# Altium PCB Panelizado.PcbDoc (part 3 of 4)
Units mm, origin at the board's own origin, x right, y up, seen from the top; angles counter-clockwise.
Board outline 420 x 503 mm, 2 copper layers (Top Layer, Bottom Layer); 456 components, 297 nets, 1240 pads, 557 vias.
Unrouted connection lines stored in the file: 247.
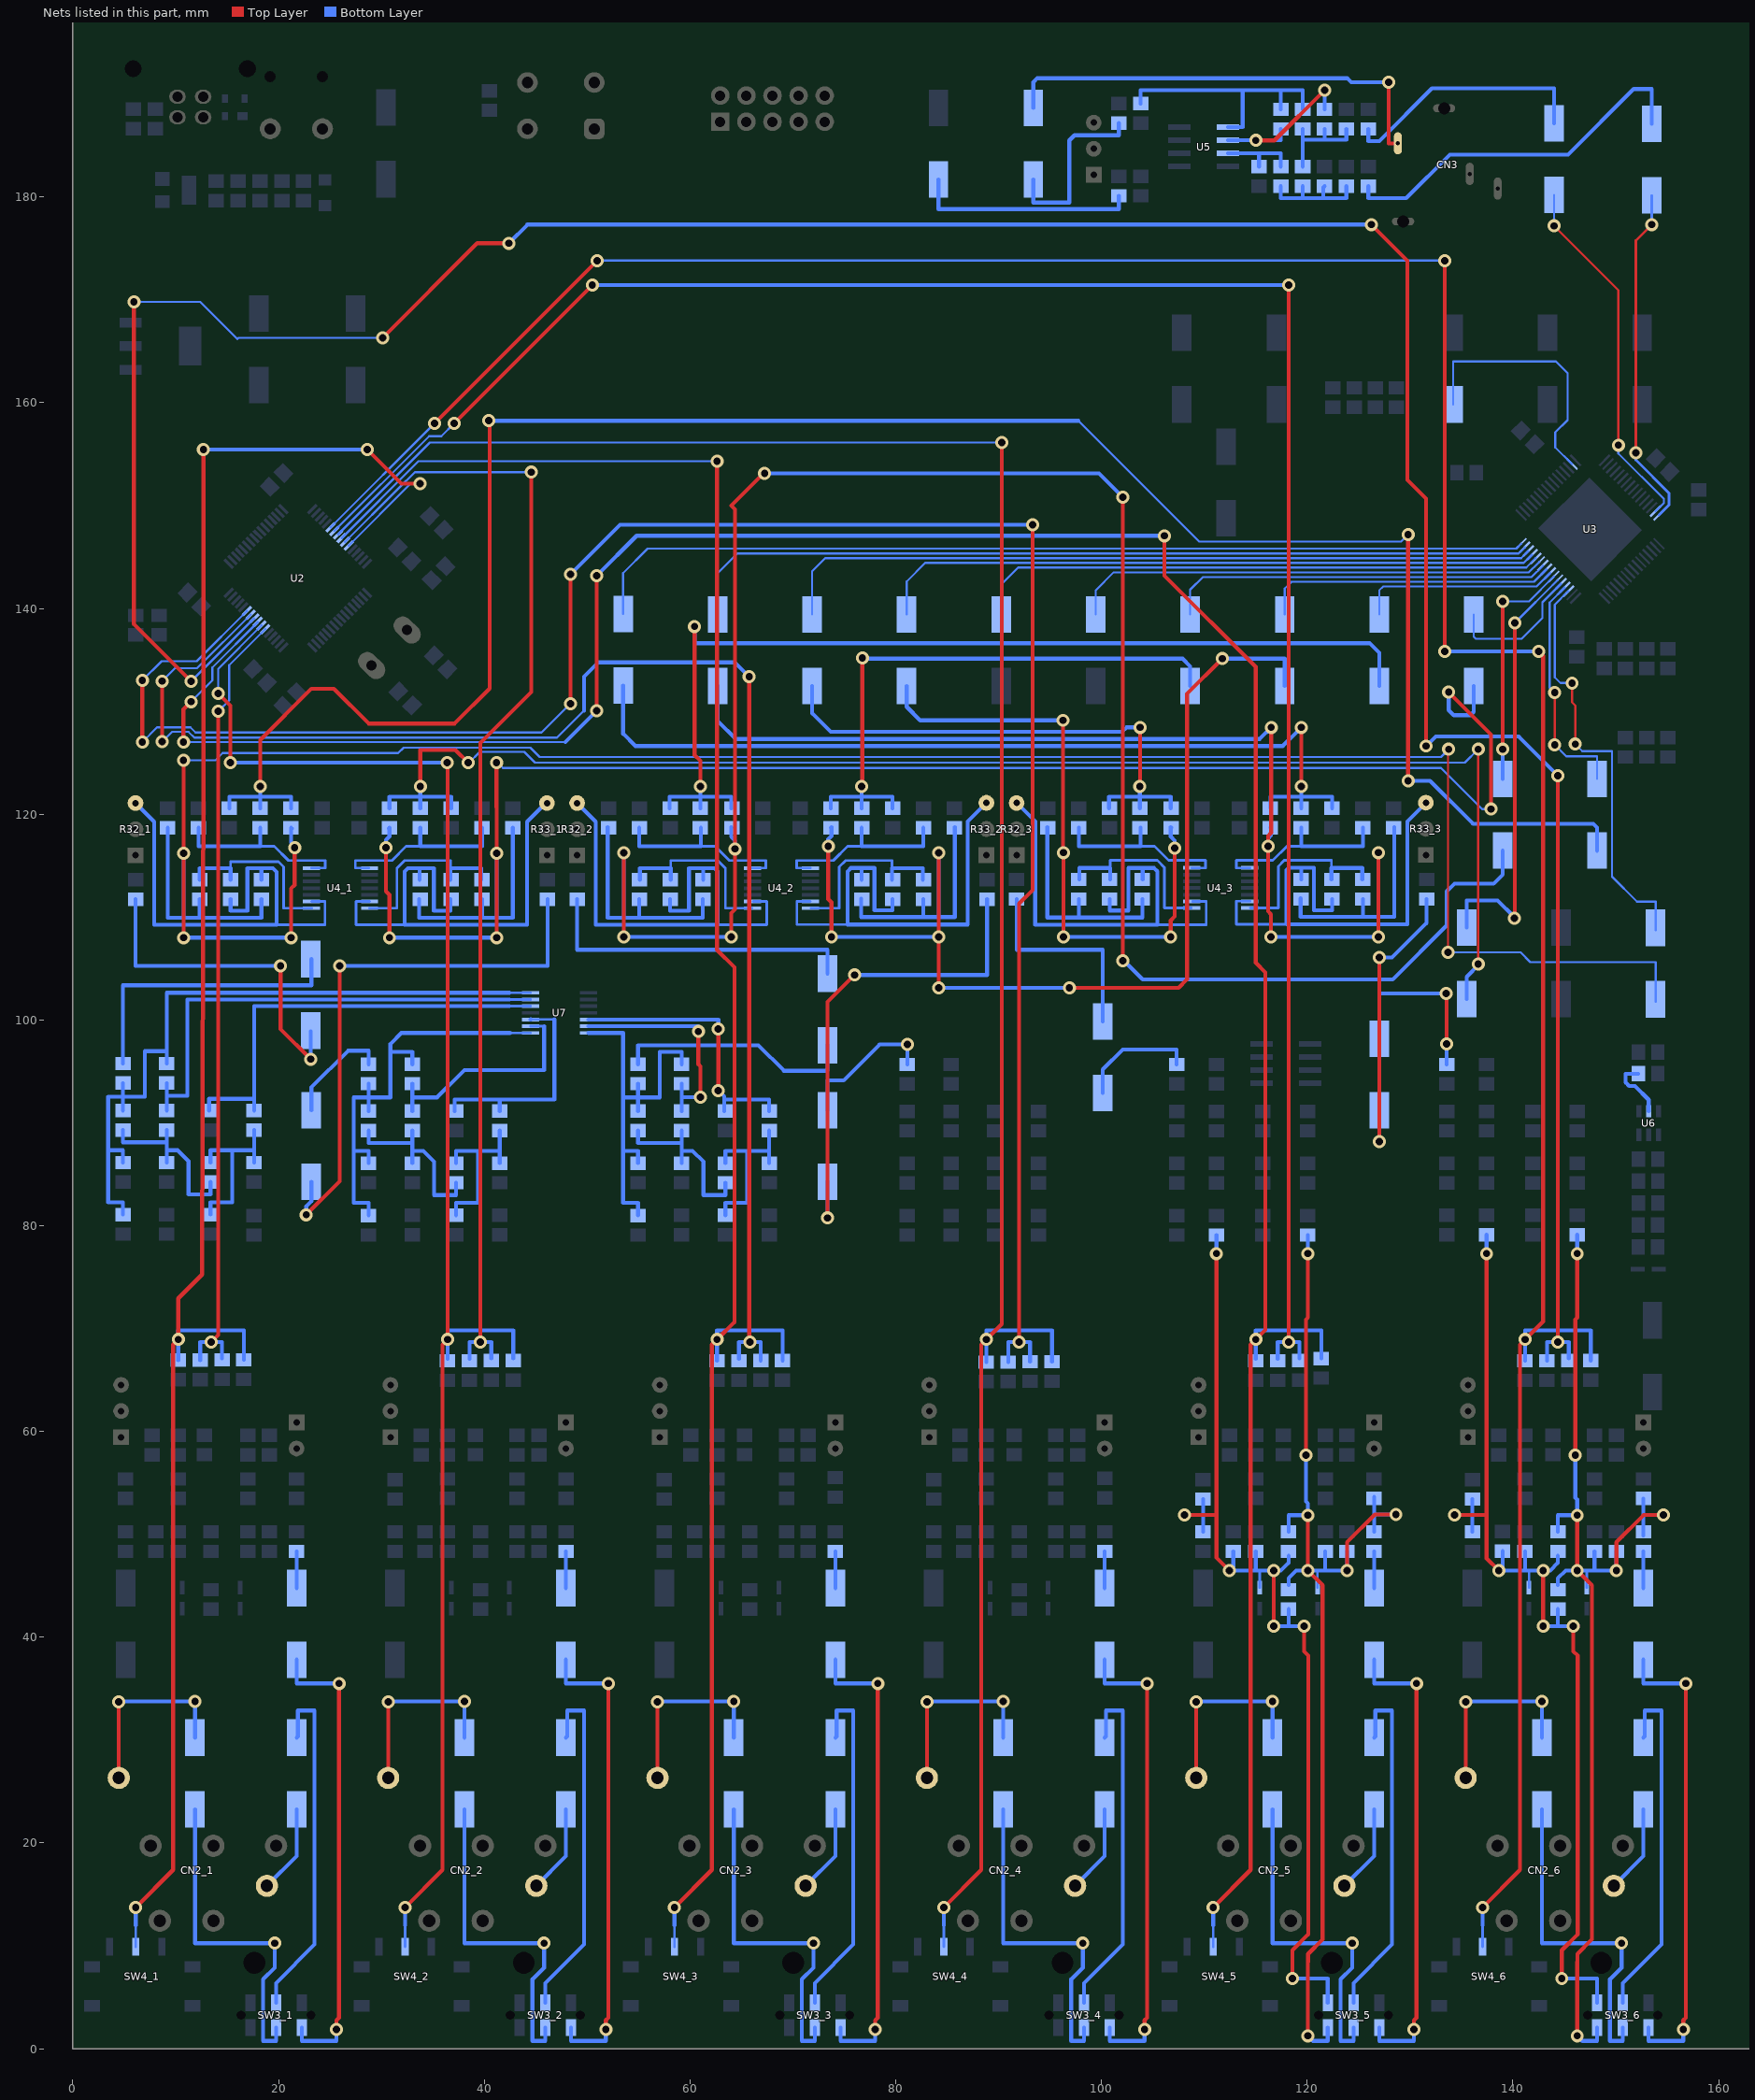
[diagram p3: the nets of this part, all layers, seen from the top]

## Via types
v1: diameter 1.27, hole 0.711, Top Layer to Bottom Layer, 553 vias
v2: diameter 1.4, hole 0.7, Top Layer to Bottom Layer, 4 vias

## Nets (pads, with @x,y where several pads share a name; then routed paths per layer and width w, separated by ;. In a path a pad name is that pad's centre, name@x,y a point inside that pad or via, vN(x,y) a via of type N, cw(c..) or ccw(c..) an arc to the next point about the centre after c; other vN are vias at no path point) (continued)
NetC17_5_1: C17_5.1 D3_5.1 R8_5.2 R9_5.2 R67.2 R68.1 R125.1 R144_5.1 SW3_5.3 | length 104.4
  Top Layer w0.381: v1(108.062,51.875) 111.153,51.875 111.174,51.855 ; v1(111.174,77.287) 111.174,51.855 ; v1(112.437,46.48) 111.174,47.744 111.174,51.855 ; v1(116.75,41.063) v1(116.75,46.48) ; v1(118.562,6.813) 118.562,9.562 120.115,11.115 120.115,38.197 119.688,38.625 v1(119.688,41.063) ; v1@120.115,41.063 v1@120.115,41.105
  Bottom Layer w0.254: D3_5.1@115.375,44.815 115.375,46.48
  Bottom Layer w0.381: v1(108.062,51.875) 109.875,51.875 ; R8_5.2@109.875,50.242 109.875,51.875 ; R68.1@109.875,53.417 109.875,51.875 ; v1(111.174,77.287) R125.1@111.174,79.087 ; R67.2@112.812,48.342 112.812,46.855 v1(112.437,46.48) 115,46.48 ; R144_5.1@114.992,48.342 114.992,46.487 115,46.48 ; v1(116.75,41.063) 118.187,41.063 ; C17_5.1@118.187,42.717 118.187,41.063 ; R9_5.2@118.187,47.905 118.187,47.23 117.437,46.48 v1(116.75,46.48) 115.375,46.48 115,46.48 ; v1(118.562,6.813) 122,6.813 SW3_5.3@122,4.45 ; v1(119.688,41.063) 118.187,41.063
NetC17_5_2: C17_5.2 D4_5.1 R9_5.1 R10_5.2 R69.2 R70.1 R129.1 R147_5.1 SW3_5.6 | length 112.3
  Top Layer w0.381: v1(119.875,57.687) 119.875,70.875 120.062,71.062 120.049,71.076 v1@120.049,77.264 ; v1(120.062,1.25) 120.062,8.411 120.079,8.428 120.079,9.205 121.5,10.625 121.5,45.042 v1(120.062,46.48) v1(120.062,51.855) ; v1(123.875,46.48) 123.875,49.23 126.583,51.938 v1(128.625,51.938)
  Bottom Layer w0.254: D4_5.1@121,44.815 121,46.48
  Bottom Layer w0.381: C17_5.2@118.187,45.055 118.187,45.73 118.937,46.48 v1(120.062,46.48) 121,46.48 121.75,46.48 ; R9_5.1@118.187,50.242 118.187,51.855 v1(120.062,51.855) 120.062,53 119.875,53.187 v1(119.875,57.687) ; v1(120.049,77.287) R129.1@120.049,79.087 ; v1(120.062,1.25) 120.562,0.75 122,0.75 SW3_5.6@122,2.05 ; R147_5.1@121.75,48.342 121.75,46.48 ; R69.2@123.875,48.342 v1(123.875,46.48) 121.75,46.48 ; R10_5.2@126.5,50.242 126.5,51.938 ; R70.1@126.5,53.625 R70.1@126.5,53.48 126.5,51.938 ; v1(128.625,51.938) 126.5,51.938
NetC17_6_1: C17_6.1 D3_6.1 R8_6.2 R9_6.2 R71.2 R72.1 R136.1 R144_6.1 SW3_6.3 | length 104.4
  Top Layer w0.381: v1(134.312,51.875) 137.417,51.875 137.438,51.855 ; v1(137.438,77.287) 137.438,51.855 ; v1(138.625,46.48) 137.438,47.667 137.438,51.855 ; v1(142.937,41.063) v1(142.937,46.48) ; v1(144.75,6.813) 144.75,9.562 146.302,11.115 146.302,38.197 145.875,38.625 v1(145.875,41.063) ; v1@146.302,41.063 v1@146.302,41.105
  Bottom Layer w0.254: D3_6.1@141.563,44.815 141.562,46.48
  Bottom Layer w0.381: v1(134.312,51.875) 134.43,51.875 136.062,51.875 ; R8_6.2@136.063,50.242 136.062,51.875 ; R72.1@136.062,53.417 136.062,51.875 ; v1(137.438,77.287) R136.1@137.438,79.112 ; R71.2@139,48.362 139,46.855 v1(138.625,46.48) 141.187,46.48 ; R144_6.1@141.18,48.342 141.18,46.487 141.187,46.48 ; v1(142.937,41.063) 144.375,41.063 ; C17_6.1@144.375,42.717 144.375,41.063 ; R9_6.2@144.375,47.905 144.375,47.23 143.625,46.48 v1(142.937,46.48) 141.562,46.48 141.187,46.48 ; v1(144.75,6.813) 148.187,6.813 SW3_6.3@148.187,4.45 ; v1(145.875,41.063) 144.375,41.063
NetC17_6_2: C17_6.2 D4_6.1 R9_6.1 R10_6.2 R73.2 R74.1 R140.1 R147_6.1 SW3_6.6 | length 112.2
  Top Layer w0.381: v1(146.062,57.687) 146.062,70.875 146.25,71.063 v1(146.25,77.287) ; v1(146.25,1.25) 146.25,8.411 146.267,8.428 146.267,9.205 147.687,10.625 147.687,45.042 v1(146.25,46.48) v1(146.25,51.855) ; v1(150.062,46.48) 150.062,49.23 152.708,51.875 v1(154.625,51.875)
  Bottom Layer w0.254: D4_6.1@147.188,44.815 147.187,46.48
  Bottom Layer w0.381: C17_6.2@144.375,45.055 144.375,45.73 145.125,46.48 v1(146.25,46.48) 147.187,46.48 147.937,46.48 ; R9_6.1@144.375,50.242 144.375,51.855 v1(146.25,51.855) 146.25,53.375 146.062,53.562 v1(146.062,57.687) ; v1(146.25,1.25) 146.75,0.75 148.187,0.75 SW3_6.6@148.187,2.05 ; v1(146.25,77.287) R140.1@146.25,79.112 ; R147_6.1@147.938,48.342 147.937,46.48 ; R73.2@150.063,48.342 v1(150.062,46.48) 147.937,46.48 ; R10_6.2@152.687,49.875 152.687,51.875 ; R74.1@152.687,53.48 152.687,51.875 ; v1(154.625,51.875) 152.687,51.875
NetC18_1_1: C18_1.1 R10_1.1 | length 3.6
  Bottom Layer w0.381: C18_1.1@21.75,44.772 R10_1.1@21.75,48.342
NetC18_1_2: C18_1.2 SW3_1.4 | length 46
  Top Layer w0.381: v1(25.625,1.875) 25.625,2.75 25.875,3 v1(25.875,35.5)
  Bottom Layer w0.381: C18_1.2@21.75,37.812 21.75,35.5 v1(25.875,35.5) ; SW3_1.4@22.25,2.05 22.25,0.75 25.625,0.75 v1(25.625,1.875)
NetC18_2_1: C18_2.1 R10_2.1 | length 3.6
  Bottom Layer w0.381: C18_2.1@47.937,44.772 R10_2.1@47.937,48.342
NetC18_2_2: C18_2.2 SW3_2.4 | length 46
  Top Layer w0.381: v1(51.812,1.875) 51.812,2.75 52.062,3 v1(52.062,35.5)
  Bottom Layer w0.381: C18_2.2@47.937,37.812 47.937,35.5 v1(52.062,35.5) ; SW3_2.4@48.437,2.05 48.437,0.75 51.812,0.75 v1(51.812,1.875)
NetC18_3_1: C18_3.1 R10_3.1 | length 3.6
  Bottom Layer w0.381: C18_3.1@74.125,44.772 R10_3.1@74.125,48.342
NetC18_3_2: C18_3.2 SW3_3.4 | length 46
  Top Layer w0.381: v1(78,1.875) 78,2.75 78.25,3 v1(78.25,35.5)
  Bottom Layer w0.381: C18_3.2@74.125,37.812 74.125,35.5 v1(78.25,35.5) ; SW3_3.4@74.625,2.05 74.625,0.75 78,0.75 v1(78,1.875)
NetC18_4_1: C18_4.1 R10_4.1 | length 3.6
  Bottom Layer w0.381: C18_4.1@100.312,44.772 R10_4.1@100.312,48.342
NetC18_4_2: C18_4.2 SW3_4.4 | length 46
  Top Layer w0.381: v1(104.188,1.875) 104.188,2.75 104.437,3 v1(104.438,35.5)
  Bottom Layer w0.381: C18_4.2@100.312,37.812 100.312,35.5 v1(104.438,35.5) ; SW3_4.4@100.812,2.05 100.812,0.75 104.188,0.75 v1(104.188,1.875)
NetC18_5_1: C18_5.1 R10_5.1 | length 3.6
  Bottom Layer w0.381: C18_5.1@126.5,44.772 R10_5.1@126.5,48.342
NetC18_5_2: C18_5.2 SW3_5.4 | length 46
  Top Layer w0.381: v1(130.375,1.875) 130.375,2.75 130.625,3 v1(130.625,35.5)
  Bottom Layer w0.381: C18_5.2@126.5,37.812 126.5,35.5 v1(130.625,35.5) ; SW3_5.4@127,2.05 127,0.75 130.375,0.75 v1(130.375,1.875)
NetC18_6_1: C18_6.1 R10_6.1 | length 3.6
  Bottom Layer w0.381: C18_6.1@152.688,44.772 R10_6.1@152.688,48.342
NetC18_6_2: C18_6.2 SW3_6.4 | length 46
  Top Layer w0.381: v1(156.562,1.875) 156.562,2.75 156.812,3 v1(156.812,35.5)
  Bottom Layer w0.381: C18_6.2@152.688,37.812 152.687,35.5 v1(156.812,35.5) ; SW3_6.4@153.187,2.05 153.187,0.75 156.562,0.75 v1(156.562,1.875)
NetC32_1: C32.1 U3.59 | length 46.6
  Bottom Layer w0.203: C32.1@99.438,139.417 99.438,141.75 101.2,143.512 141.557,143.512 U3.59@142.568,144.523
NetC33_1: C33.1 C53_1.1 R24_1.2 R26_1.2 | length 209.1
  Top Layer w0.381: v1(18.216,122.687) 18.216,127.216 23.187,132.188 25.375,132.188 28.75,128.813 37.125,128.813 40.529,132.216 40.529,158.159 v1(40.438,158.25) ; v1(129.812,123.25) v1(129.812,147.188)
  Bottom Layer w0.203: 97.75,158.25 109.5,146.5 129.125,146.5 v1(129.812,147.188)
  Bottom Layer w0.381: R24_1.2@15.216,120.575 15.216,121.687 18.216,121.687 ; R26_1.2@18.216,120.575 18.216,121.687 ; v1(18.216,122.687) 18.216,121.687 ; C53_1.1@21.216,120.575 21.216,121.687 18.216,121.687 ; v1(40.438,158.25) 97.75,158.25 ; v1(129.812,123.25) 131.938,123.25 136.125,119.062 147.813,119.062 148.187,118.688 C33.1@148.187,116.458
NetC33_2: C33.2 U3.52 | length 23
  Top Layer w0.203: v1(144.062,126.75) v1(144.062,131.813)
  Bottom Layer w0.203: v1(144.062,126.75) 145.187,125.625 148.187,125.625 C33.2@148.187,123.417 ; v1(144.062,131.813) 143.562,132.313 143.562,140.568 U3.52@145.043,142.048 ; U3.52@144.903,141.92 U3.52@144.982,141.999
NetC34_1: C34.1 C53_1.2 R28_1.1 R30_1.2 R36_1.2 | length 234.1
  Top Layer w0.203: v1(133.687,106.562) 133.687,126.25 v1(133.75,126.313)
  Top Layer w0.381: v1(10.778,108) v1@10.778,116.062 ; v1(10.778,116.187) v1@10.778,125.25 ; v1(21.216,108) 21.216,112.778 21.562,113.125 v1(21.562,116.75)
  Bottom Layer w0.203: v1(10.75,125.25) 13.875,125.25 14.565,125.94 15.702,125.94 15.704,125.938 31.625,125.938 32.156,126.469 44.469,126.469 45.375,125.562 133,125.562 v1(133.75,126.313) ; v1(133.687,106.562) 140.75,106.562 141.687,105.625 153.875,105.625 C34.1@153.875,102 C34.1@153.875,101.77
  Bottom Layer w0.381: R28_1.1@9.216,118.675 9.216,109.937 10.778,109.937 ; v1(10.778,108) v1(21.216,108) ; v1(10.778,116.187) 10.778,109.937 ; R36_1.2@12.341,111.737 12.341,109.937 ; R30_1.2@18.341,111.737 18.341,109.937 12.341,109.937 ; v1@21.216,117.25 C53_1.2@21.216,118.675 C53_1.2@21.278,118.612 ; 10.778,109.937 12.341,109.937
NetC34_2: C34.2 U3.51 | length 41.4
  Top Layer w0.203: v1(145.75,132.75) 145.75,130.875 146.062,130.563 v1(146.062,126.812)
  Bottom Layer w0.203: U3.51@144.946,141.256 U3.51@145.08,141.39 ; U3.51@145.232,141.542 U3.51@145.36,141.67 ; U3.51@145.396,141.695 144.063,140.361 144.063,133.312 144.625,132.75 v1(145.75,132.75) ; v1(146.062,126.812) 146.75,126.125 149.625,126.125 149.625,113.938 152.063,111.5 153.875,111.5 C34.2@153.875,108.96 C34.2@153.875,108.73
NetC35_1: C35.1 U3.15 | length 25.8
  Bottom Layer w0.203: C35.1@134.187,159.833 134.187,164 144.187,164 145.313,162.875 145.313,158.313 144.125,157.125 144.125,155.659 U3.15@145.75,154.034
NetC36_1: C36.1 U3.60 | length 55.9
  Bottom Layer w0.203: C36.1@90.25,139.417 90.25,142.313 91.907,143.97 141.307,143.97 U3.60@142.214,144.877
NetC37_1: C37.1 C54_1.1 R25_1.2 R27_1.2 | length 143.6
  Top Layer w0.203: v1(136.625,105.438) v1@136.625,105.562 ; v1(136.625,126.313) v1@136.625,105.562 ; v1@136.75,105.438 v1@136.625,105.562
  Top Layer w0.381: v1(33.778,122.687) 33.778,126.25 37.186,126.25 v1(38.437,124.998)
  Bottom Layer w0.203: v1(38.437,124.998) 38.498,124.998 39.563,126.063 43.875,126.063 44.921,125.016 135.329,125.016 v1(136.625,126.313)
  Bottom Layer w0.381: C54_1.1@30.778,120.575 30.778,121.687 33.778,121.687 ; R27_1.2@33.778,120.575 33.778,121.687 ; v1(33.778,122.687) 33.778,121.687 ; R25_1.2@36.778,120.575 36.778,121.687 33.778,121.687 ; C37.1@135.5,102.02 135.5,104.188 v1@136.688,105.375
NetC37_2: C37.2 U3.54 | length 42.7
  Top Layer w0.381: v1(140.125,109.875) 140.187,109.937 v1(140.187,138.596)
  Bottom Layer w0.203: v1(140.187,138.596) 144.336,142.744 U3.54@144.336,142.755
  Bottom Layer w0.381: C37.2@135.5,108.98 135.5,111.625 138.5,111.625 140.125,110 v1(140.125,109.875)
NetC38_1: C38.1 C54_1.2 R29_1.1 R31_1.2 R37_1.2 | length 184.9
  Top Layer w0.381: v1(30.438,116.75) 30.438,112.5 30.778,112.159 v1(30.778,108) ; v1(41.187,125) v1(41.216,116.187) ; v1(41.216,108) v1@41.216,116.063 ; v1(133.75,131.875) 137.875,127.75 v1(137.875,120.5)
  Bottom Layer w0.203: v1@41.187,125.125 41.813,124.5 133,124.5 137,120.5 v1(137.875,120.5)
  Bottom Layer w0.381: v1(30.438,116.75) 30.438,117.5 30.778,117.841 C54_1.2@30.778,118.675 C54_1.2@30.716,118.612 ; v1(30.778,108) v1(41.216,108) ; R31_1.2@33.653,111.737 33.653,109.937 39.653,109.937 ; R37_1.2@39.778,111.737 39.778,110.063 39.653,109.937 ; v1(41.216,116.187) 41.216,109.938 ; R29_1.1@42.778,118.675 42.778,109.937 41.216,109.937 ; v1(133.75,131.875) 133.75,130.125 134.25,129.625 135.875,129.625 136.187,129.937 C38.1@136.188,132.458 ; 39.653,109.937 41.216,109.937
NetC38_2: C38.2 U3.53 | length 13.9
  Bottom Layer w0.203: C38.2@136.188,139.417 136.188,137.25 136.375,137.062 140.875,137.062 142.875,139.063 142.875,140.588 U3.53@144.689,142.402
NetC39_1: C39.1 C53_2.1 R24_2.2 R26_2.2 | length 97.9
  Top Layer w0.381: v1(60.437,138.25) 60.437,125.75 61,125.188 v1(61,122.687)
  Bottom Layer w0.381: R24_2.2@58,120.575 58,121.688 61,121.688 ; v1(60.437,138.25) 60.437,136.625 126.063,136.625 127,135.688 C39.1@127,132.458 ; R26_2.2@61,120.575 61,121.688 ; v1(61,122.687) 61,121.688 ; C53_2.1@64,120.575 64,121.688 61,121.688
NetC39_2: C39.2 U3.56 | length 19.7
  Bottom Layer w0.203: C39.2@127,139.417 127,141.75 127.391,142.141 142.307,142.141 U3.56@143.629,143.463
NetC40_1: C40.1 C53_2.2 R28_2.1 R30_2.2 R36_2.2 | length 222.8
  Top Layer w0.381: v1(53.562,108.063) v1(53.562,116.25) ; v1(64,108.063) 64,110.375 64.375,110.75 v1(64.375,116.625) 64.375,149.625 64,150 67.125,153.125 v1(67.25,153.125) ; v1(102.063,105.75) v1(102.063,150.812)
  Bottom Layer w0.381: R28_2.1@52,118.738 52,109.937 53.562,109.937 ; v1(53.562,108.063) v1(64,108.063) ; v1(53.562,116.25) 53.562,109.937 ; R36_2.2@55.063,111.737 55.063,110 55.125,109.937 ; R30_2.2@61.25,111.737 61.25,109.937 55.125,109.937 ; C53_2.2@64.063,118.675 64,118.738 64,117.813 64.375,117.438 v1(64.375,116.625) ; v1(67.25,153.125) 99.75,153.125 v1(102.063,150.812) ; v1(102.063,105.75) 102.188,105.75 104,103.938 128.312,103.938 133.562,109.188 133.562,112.5 134.312,113.25 138.125,113.25 139,114.125 C40.1@139,116.458 ; 53.562,109.937 55.125,109.937
NetC40_2: C40.2 U3.55 | length 23.3
  Top Layer w0.381: v1(139,126.313) v1(139,140.688)
  Bottom Layer w0.203: v1(139,140.688) 141.561,140.688 U3.55@143.982,143.109
  Bottom Layer w0.381: C40.2@139,123.417 v1(139,126.313)
NetC41_1: C41.1 C54_2.1 R25_2.2 R27_2.2 | length 57
  Top Layer w0.381: v1(76.687,122.687) 76.75,122.75 v1(76.75,135.187)
  Bottom Layer w0.381: C54_2.1@73.688,120.575 73.687,121.688 76.687,121.688 ; R27_2.2@76.688,120.575 76.687,121.688 ; v1(76.687,122.687) 76.687,121.688 ; v1(76.75,135.187) 76.812,135.125 107.875,135.125 108.625,134.375 C41.1@108.625,132.458 ; R25_2.2@79.688,120.575 79.687,121.688 76.687,121.688
NetC41_2: C41.2 U3.58 | length 37.7
  Bottom Layer w0.203: C41.2@108.625,139.417 108.625,141.813 109.868,143.055 141.807,143.055 U3.58@142.921,144.17
NetC42_1: C42.1 C54_2.2 R29_2.1 R31_2.2 R37_2.2 | length 127.9
  Top Layer w0.381: v1(73.438,116.875) 73.438,111.75 73.75,111.437 v1(73.75,108.063) ; v1(84.188,103.125) v1(84.188,108.063) v1@84.188,116.125 ; v1(96.875,103.125) 107.5,103.125 108.313,103.938 108.313,131.687 v1(111.75,135.125)
  Bottom Layer w0.381: v1(73.438,116.875) 73.438,117.563 73.75,117.875 73.75,118.738 C54_2.2@73.688,118.675 ; v1(73.75,108.063) v1(84.188,108.063) ; R31_2.2@76.625,111.8 76.625,110 82.625,110 ; R37_2.2@82.688,111.737 82.688,110.063 82.625,110 ; v1(84.188,103.125) v1(96.875,103.125) ; v1(84.188,116.25) 84.188,110 ; R29_2.1@85.75,118.738 85.75,110 84.187,110 ; v1(111.75,135.125) 117.813,135.125 C42.1@117.813,132.458 ; 82.625,110 84.187,110
NetC42_2: C42.2 U3.57 | length 28.8
  Bottom Layer w0.203: C42.2@117.813,139.417 117.813,141.938 118.473,142.598 142.057,142.598 U3.57@143.275,143.816
NetC43_1: C43.1 C53_3.1 R24_3.2 R26_3.2 | length 51.5
  Top Layer w0.381: v1(103.728,122.7) 103.75,122.722 v1(103.75,128.438)
  Bottom Layer w0.381: C43.1@71.875,132.458 71.875,129.813 73.688,128 102,128 102.437,128.438 v1(103.75,128.438) ; R24_3.2@100.729,120.588 100.729,121.7 103.728,121.7 ; R26_3.2@103.729,120.588 103.728,121.7 ; v1(103.728,122.7) 103.728,121.7 ; C53_3.1@106.729,120.588 106.729,121.7 103.728,121.7
NetC43_2: C43.2 U3.62 | length 74.7
  Bottom Layer w0.203: C43.2@71.875,139.417 71.875,143.625 73.134,144.884 140.807,144.884 U3.62@141.507,145.584
NetC44_1: C44.1 C53_3.2 R28_3.1 R30_3.2 R36_3.2 | length 88.2
  Top Layer w0.381: v1(96.25,129.125) 96.25,116.304 v1(96.291,116.263) ; v1(96.291,108.075) v1@96.291,116.138 ; v1(106.729,108.075) 106.729,109.666 107.125,110.063 v1(107.125,116.688)
  Bottom Layer w0.381: C44.1@81.063,132.458 81.063,130.437 82.375,129.125 v1(96.25,129.125) ; R28_3.1@94.728,118.75 94.728,109.95 96.291,109.95 ; v1(96.291,108.075) v1(106.729,108.075) ; v1(96.291,116.263) 96.291,109.95 ; R36_3.2@97.791,111.75 97.791,110.013 97.854,109.95 ; R30_3.2@103.979,111.75 103.979,109.95 97.854,109.95 ; C53_3.2@106.791,118.688 106.729,118.75 106.729,117.834 107.125,117.437 v1(107.125,116.688) ; 96.291,109.95 97.854,109.95
NetC44_2: C44.2 U3.61 | length 65.1
  Bottom Layer w0.203: C44.2@81.063,139.417 81.063,142.625 82.864,144.427 141.057,144.427 U3.61@141.861,145.23
NetC45_1: C45.1 C54_3.1 R25_3.2 R27_3.2 | length 88
  Top Layer w0.381: v1(119.416,122.7) 119.438,122.722 v1(119.438,128.438)
  Bottom Layer w0.381: C45.1@53.5,132.5 53.5,127.812 54.688,126.625 117.625,126.625 v1(119.438,128.438) ; C54_3.1@116.416,120.588 116.416,121.7 119.416,121.7 ; R27_3.2@119.416,120.588 119.416,121.7 ; v1(119.416,122.7) 119.416,121.7 ; R25_3.2@122.416,120.588 122.416,121.7 119.416,121.7
NetC45_2: C45.2 U3.64 | length 92.5
  Bottom Layer w0.203: C45.2@53.5,139.46 53.5,143.438 55.875,145.812 140.322,145.812 U3.64@140.8,146.291
NetC46_1: C46.1 C54_3.2 R29_3.1 R31_3.2 R37_3.2 | length 127.3
  Top Layer w0.381: v1(116.479,108.075) 116.479,110.271 116.187,110.563 v1(116.187,116.875) 116.187,117.875 116.5,118.188 v1(116.5,128.438) ; v1(126.916,108.075) v1@126.916,116.138
  Bottom Layer w0.381: C46.1@62.687,132.458 62.687,129.063 64.438,127.312 115.375,127.312 v1(116.5,128.438) ; v1(116.187,116.875) 116.187,117.625 116.479,117.916 116.479,118.75 C54_3.2@116.416,118.688 ; v1(116.479,108.075) v1(126.916,108.075) ; R31_3.2@119.353,111.813 119.353,110.013 125.353,110.013 ; R37_3.2@125.416,111.75 125.416,110.075 125.353,110.013 ; v1(126.916,116.263) 126.916,110.013 ; R29_3.1@128.479,118.75 128.479,110.013 126.916,110.013 ; 125.353,110.013 126.916,110.013
NetC46_2: C46.2 U3.63 | length 83.5
  Bottom Layer w0.203: C46.2@62.687,139.417 62.687,143.438 64.591,145.341 140.558,145.341 U3.63@141.154,145.937
NetC47_1_1: C47_1.1 SW3_1.2 | length 34.3
  Bottom Layer w0.381: SW3_1.2@19.75,4.45 19.75,6.375 23.5,10.125 23.5,32.875 21.875,32.875 21.875,30.355 C47_1.1@21.75,30.23
NetC47_1_2: C47_1.2 CN2_1.R | length 8.6
  Bottom Layer w0.381: CN2_1.R@18.867,15.831 21.75,18.714 C47_1.2@21.75,23.27